# Allegro board RK_EVB7_RK3588_LP4XD200P232SD8_V11_20230111YWQ.brd (continued)
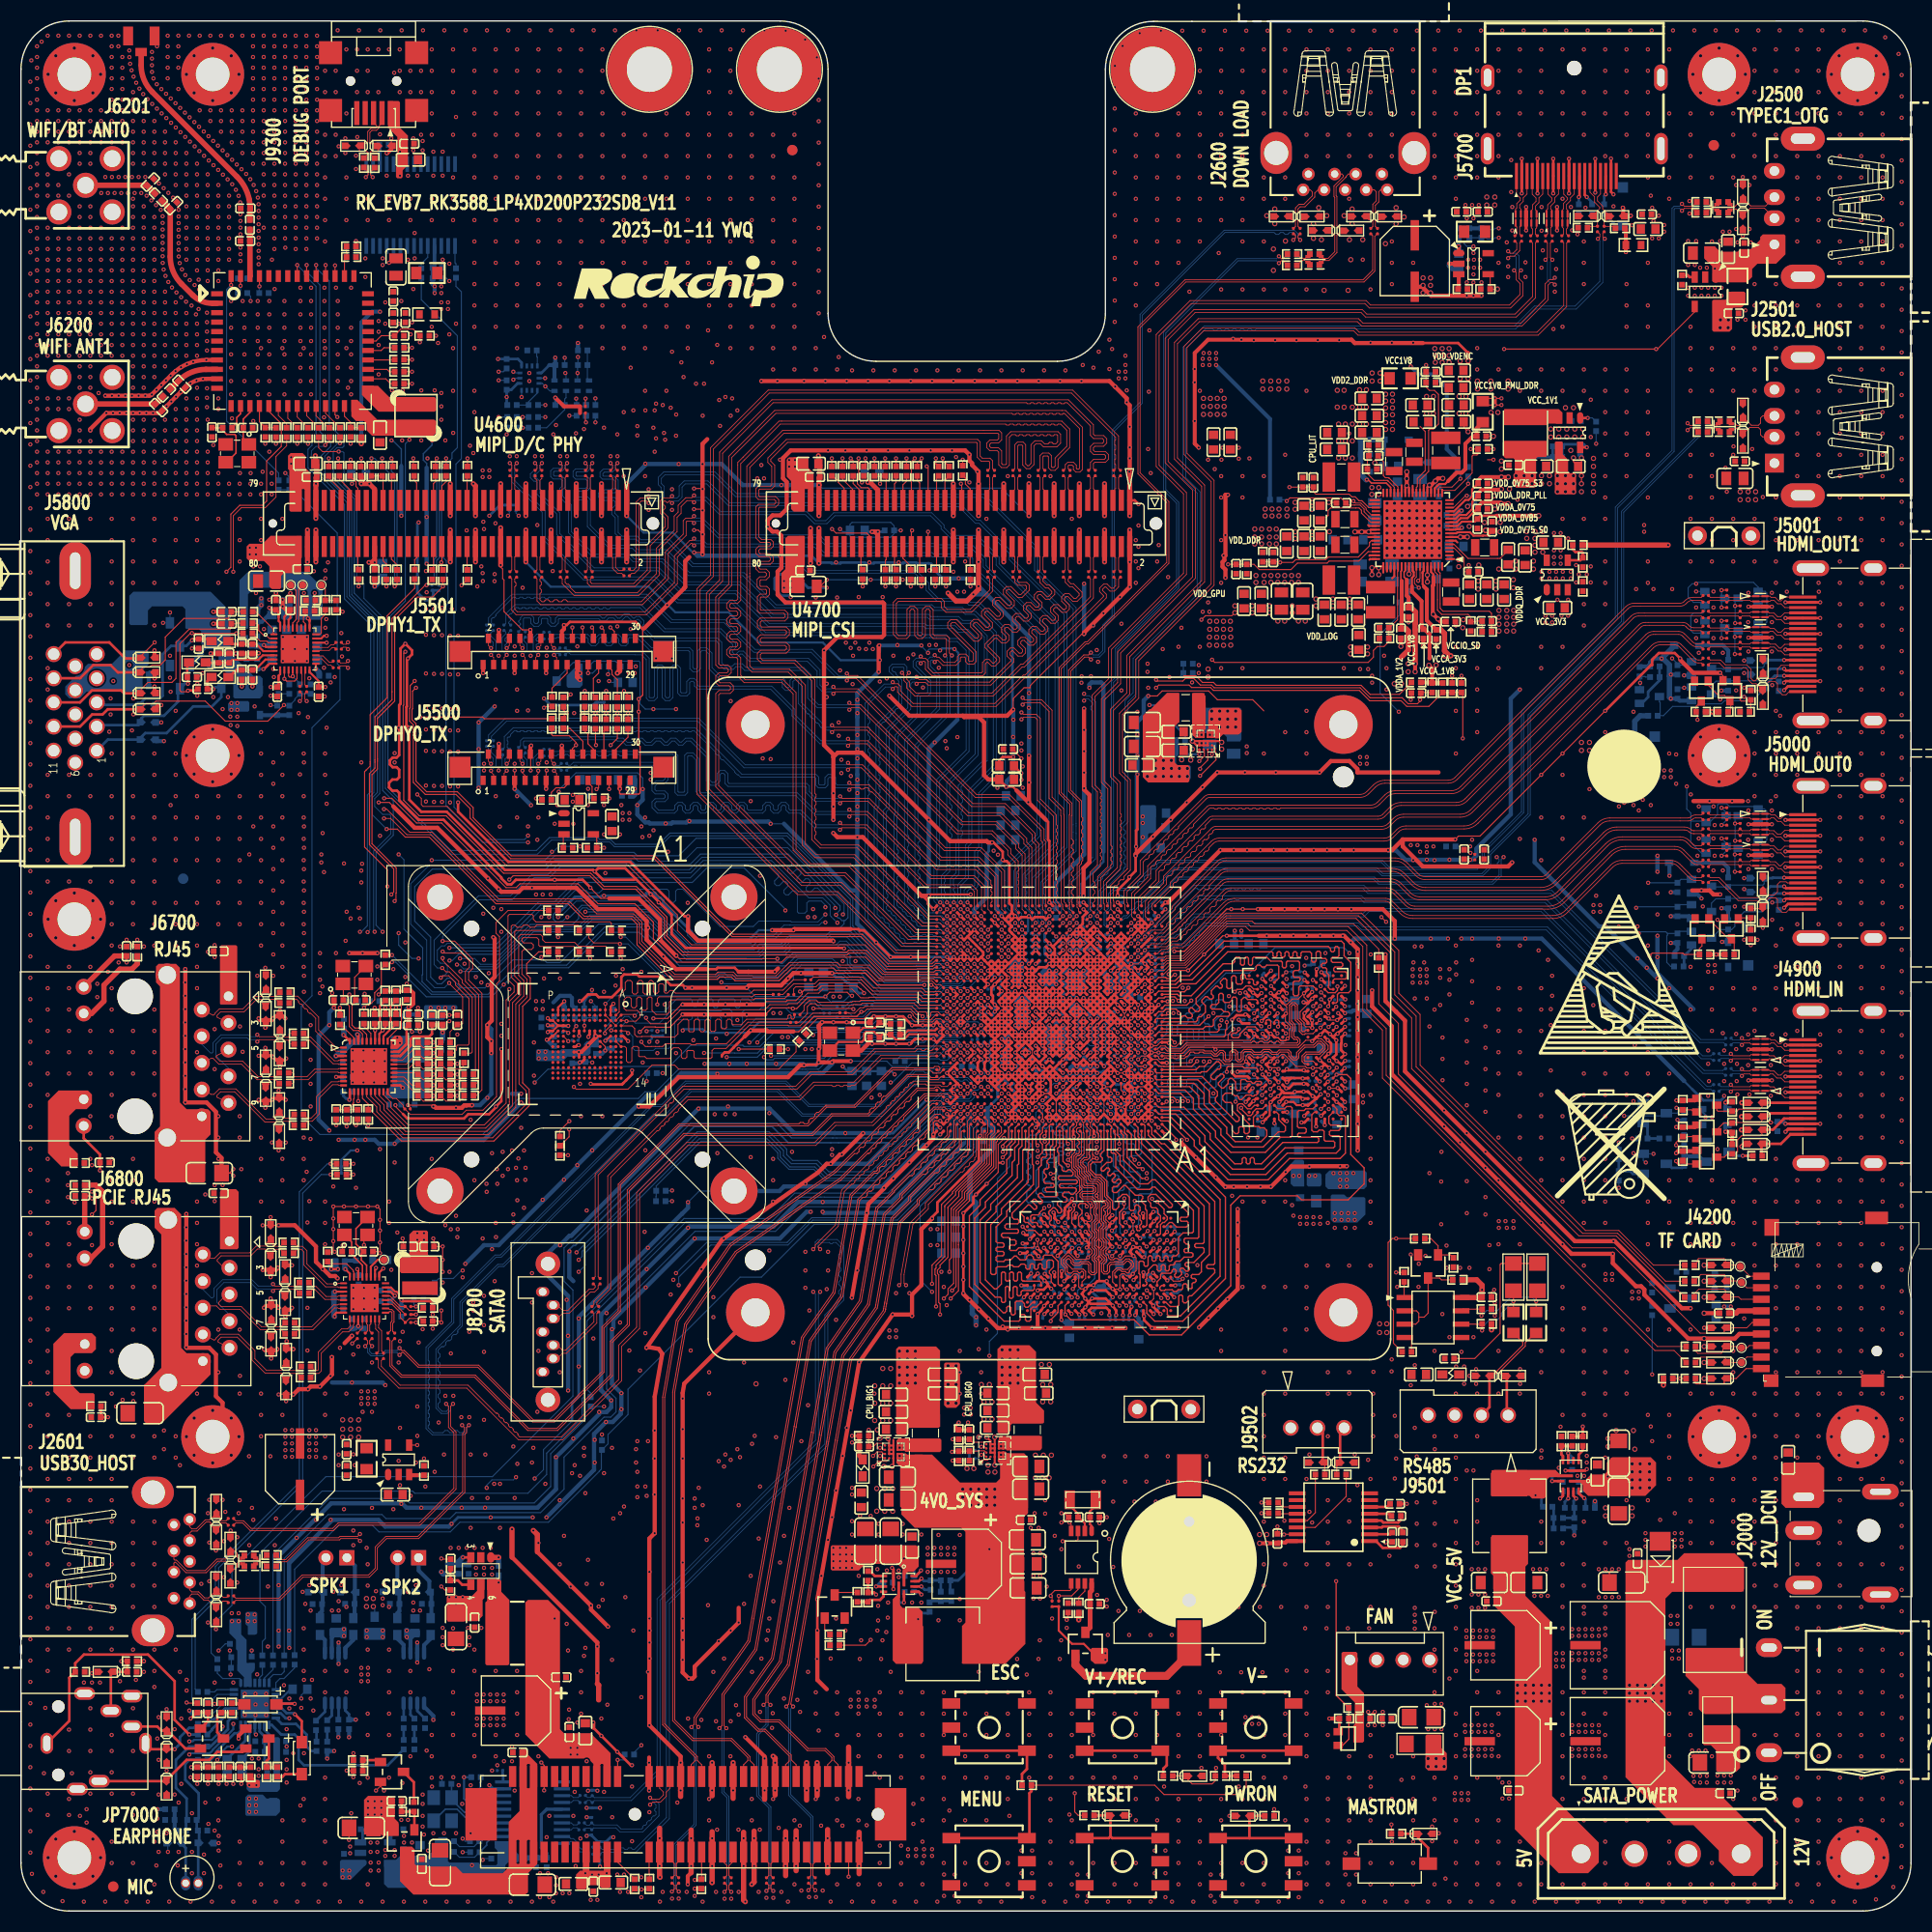
[diagram p0: board, top side]
## Nets
AVDD3V3_CODEC: C7002.1 C7006.1 R7000.2 U7000.17(AVDD)
GND: ANT6200.2(GND1) ANT6200.3(GND2) C240.2 C1000.2 C1001.2 C1002.2 C1003.2 C1004.2 C1005.2 C1006.2 C1007.2 C1010.2 C1013.2 C1014.2 C1015.2 C1016.2 C1017.2 C1018.2 C1019.2 C1020.2 C1022.2 C1023.2 C1024.2 C1025.2 C1027.2 C1028.2 C1029.2 C1030.2 C1031.2 C1032.2 C1033.2 C1034.2 C1035.2 C1036.2 C1037.2 C1038.2 C1039.2 C1040.2 C1041.2 C1042.2 C1043.2 C1045.2 C1046.2 C1047.2 C1048.2 C1049.2 C1050.2 C1051.2 C1052.2 C1054.2 C1057.2 C1058.2 C1059.2 C1060.2 C1061.2 C1062.2 C1063.2 C1064.2 C1065.2 C1066.2 C1069.2 C1070.2 C1071.2 C1072.2 C1073.2 C1080.2 C1081.2 C1082.2 C1083.2 C1085.2 C1086.2 C1100.2 C1101.2 C1102.2 C1103.2 C1104.2 C1105.2 C1106.2 C1107.2 C1109.2 C1110.2 C1111.2 C1112.2 C1113.2 C1200.2 C1201.2 C1202.2 C1203.2 C1204.2 C1205.2 C1206.2 C1207.2 C1208.2 C1209.2 C1210.2 C1211.2 C1212.2 C1213.2 C1214.2 C1215.2 C1216.2 C1217.2 C1218.2 C1219.2 C1220.2 C1221.2 C1223.2 C1224.2 C1225.2 C1226.2 C1227.2 C1228.2 C1229.2 C1231.2 C1232.2 C1300.2 C1301.2 C1302.2 C1400.2 C1401.2 C1402.2 C1403.2 C1404.2 C1405.2 C1406.2 C1407.2 C1408.2 C1409.2 C1410.2 C1501.2 C1502.2 C1503.2 C1505.2 C1510.2 C1511.2 C1512.2 C1513.2 C1514.2 C1600.2 C1601.2 C1602.2 C1603.2 C1605.2 C1608.2 C1609.2 C1611.2 C1613.2 C1615.2 C1616.2 C1617.2 C1619.2 C1621.2 C1714.2 C1715.2 C1716.2 C1717.2 C1729.2 C1730.2 C1731.2 C1732.2 C1733.2 C1735.2 C1738.2 C1740.2 C1741.2 C1742.2 C1751.2 C1752.2 C1800.2 C1801.2 C1802.2 C1803.2 C1804.2 C1806.2 C1808.2 C1810.2 C1812.2 C1813.2 C1814.2 C1815.2 C1816.2 C1818.2 C1902.2 C1903.2 C1907.2 C1908.2 C1909.2 C2000.2 C2001.2 C2002.2 C2003.2 C2004.2 C2005.2 C2006.2 C2007.2 C2010.2 C2011.2 C2012.2 C2013.2 C2014.2 C2015.2 C2016.2 C2017.2 C2100.2 C2101.2 C2102.2 C2106.2 C2108.2 C2109.2 C2110.2 C2111.2 C2112.2 C2113.2 C2200.2 C2201.2 C2202.2 C2203.2 C2204.2 C2207.2 C2208.2 C2209.2 C2210.2 C2211.2 C2212.2 C2213.2 C2214.2 C2215.2 C2218.2 C2219.2 C2220.2 C2221.2 C2222.2 C2223.2 C2224.2 C2225.2 C2226.2 C2229.2 C2230.2 C2231.2 C2232.2 C2234.2 C2235.2 C2236.2 C2237.2 C2240.2 C2241.2 C2242.2 C2243.2 C2244.2 C2245.2 C2246.2 C2247.2 C2249.2 C2250.2 C2252.2 C2253.2 C2254.2 C2255.2 C2256.2 C2257.2 C2258.2 C2259.2 C2260.2 C2262.2 C2263.2 C2264.2 C2265.2 C2266.2 C2267.2 C2268.2 C2269.2 C2270.2 C2271.2 C2280.2 C2300.2 C2301.2 C2302.2 C2303.2 C2305.2 C2306.2 C2307.2 C2308.2 C2309.2 C2311.2 C2312.2 C2313.2 C2314.2 C2315.2 C2316.2 C2317.2 C2318.2 C2319.2 C2321.2 C2322.2 C2324.2 C2325.2 C2326.2 C2327.2 C2328.2 C2329.2 C2330.2 C2332.2 C2333.2 C2335.2 C2400.2 C2401.2 C2402.2 C2403.2 C2404.2 C2405.2 C2406.2 C2407.2 C2500.2 C2501.2 C2502.2 C2503.2 C2510.2 C2511.2 C2600.2 C2601.2 C2602.2 C2603.2 C2604.2 C2607.2 C2608.2 C2609.2 C2610.2 C3800.2 C3801.2 C3802.2 C3803.2 C3804.2 C3805.2 C3806.2 C3807.2 C3808.2 C3809.2 C3810.2 C3811.2 C3812.2 C3813.2 C3814.2 C3815.2 C3816.2 C3817.2 C3818.2 C3819.2 C3820.2 C3821.2 C3822.2 C3823.2 C3824.2 C3825.2 C3826.2 C3827.2 C3828.2 C3829.2 C3830.2 C3831.2 C3832.2 C3833.2 C3834.2 C3835.2 C3836.2 C3837.2 C3838.2 C3839.2 C3840.2 C3841.2 C3842.2 C3844.2 C3845.2 C3846.2 C3847.2 C3848.2 C3849.2 C3850.2 C3851.2 C3852.2 C3853.2 C3854.2 C3855.2 C3856.2 C3857.2 C3858.2 C3859.2 C3860.2 C3861.2 C3862.2 C3863.2 C3864.2 C3865.2 C3866.2 C3867.2 C3868.2 C3869.2 C3870.2 C3871.2 C3872.2 C3873.2 C3874.2 C3875.2 C3876.2 C3877.2 C3878.2 C3879.2 C3880.2 C3881.2 C3882.2 C3883.2 C3884.2 C3885.2 C3886.2 C3887.2 C3888.2 C4000.2 C4001.2 C4002.2 C4003.2 C4004.2 C4005.2 C4006.2 C4007.2 C4008.2 C4009.2 C4201.2 C4202.2 C4600.2 C4601.2 C4602.2 C4603.2 C4604.2 C4605.2 C4606.2 C4607.2 C4700.2 C4701.2 C4702.2 C4703.2 C4704.2 C4705.2 C4706.2 C4707.2 C4900.2 C5011.2 C5024.2 C5500.2 C5501.2 C5502.2 C5503.2 C5510.2 C5511.2 C5512.2 C5513.2 C5710.2 C5711.2 C5802.2 C5803.2 C5804.2 C5805.2 C5806.2 C5807.2 C5811.2 C5812.2 C5813.2 C5814.2 C5815.2 C5817.2 C5818.2 C5819.2 C5820.2 C5821.2 C5822.2 C5823.2 C5824.2 C5825.2 C5826.2 C5827.2 C5828.2 C5829.2 C5830.2 C6201.2 C6202.2 C6204.2 C6205.2 C6206.2 C6207.2 C6209.2 C6210.2 C6211.2 C6212.2 C6213.2 C6214.2 C6215.2 C6216.2 C6700.2 C6701.2 C6702.1 C6703.1 C6704.2 C6707.2 C6708.2 C6709.2 C6710.2 C6711.2 C6712.2 C6713.2 C6714.2 C6715.2 C6716.2 C6717.2 C6718.2 C6719.2 C6720.2 C6721.2 C6722.2 C6723.2 C6750.2 C6751.2 C6802.2 C6803.2 C6804.2 C6805.2 C6806.2 C6807.2 C6808.2 C6809.2 C6810.2 C6811.2 C6812.2 C6813.2 C6814.2 C6815.2 C6816.1 C6817.1 C6818.2 C6819.2 C7000.2 C7001.2 C7002.2 C7003.2 C7004.2 C7005.2 C7006.2 C7011.2 C7012.2 C7013.2 C7014.2 C7015.2 C7016.2 C7017.2 C7018.2 C7022.2 C7023.2 C7024.1 C7027.2 C7028.2 C7029.2 C7030.1 C7033.2 C7034.2 C7035.2 C8100.2 C8101.2 C8102.2 C8105.2 C8106.2 C8113.2 C8114.2 C8115.2 C8116.2 C8117.2 C8118.2 C8119.2 C8120.2 C8121.2 C8122.2 C8124.2 C8125.2 C8127.2 C8128.2 C8129.2 C8130.2 C8132.2 C8133.2 C8134.2 C8135.2 C8136.2 C9000.2 C9001.2 C9002.2 C9003.2 C9004.2 C9300.2 C9301.2 C9302.2 C9303.2 C9304.2 C9510.2 C9512.2 C9514.2 C9515.1 C9517.1 CON9000.3(GND) D2000.1(A) D2200.1(A) D4200.2 D4201.2 D4202.2 D4203.2 D4204.2 D4205.2 D4206.2 D4207.2 D5700.1(ANODE) D5801.2 D5802.2 D5803.1 D5804.2 D5805.2 D5806.1 D5807.2 D5808.2 D5810.1 D5811.2 ED2200.2 ED2500.2 ED2501.2 ED2503.2 ED2504.2 ED2600.2 ED2601.2 ED2602.2 ED2603.2 ED2604.2 ED2605.2 ED2606.2 ED2607.2 ED2608.2 ED2609.2 ED2610.2 ED2611.2 ED4900.3(GND#3) ED4900.8(GND#8) ED4901.2 ED4902.2 ED4903.2 ED4904.2 ED4905.3(GND#3) ED4905.8(GND#8) ED5000.3(GND#3) ED5000.8(GND#8) ED5001.3(GND#3) ED5001.8(GND#8) ED5002.2 ED5003.2 ED5004.2 ED5005.2 ED5006.2 ED5007.3(GND#3) ED5007.8(GND#8) ED5008.3(GND#3) ED5008.8(GND#8) ED5009.2 ED5010.2 ED5011.2 ED5012.2 ED5013.2 ED5700.2 ED5701.2 ED6700.2 ED6701.2 ED6702.2 ED6703.2 ED6704.2 ED6705.2 ED6706.2 ED6707.2 ED6800.2 ED6801.2 ED6802.2 ED6803.2 ED6804.2 ED6805.2 ED6806.2 ED6807.2 ED7000.2 ED7001.2 ED7002.2 ED7003.2 ED7004.2 ED7005.2 ED7006.2 ED7007.2 ED7008.2 ED7009.2 ED9200.2 ED9201.2 ED9202.2 ED9203.2 ED9300.2 ED9301.2 ED9500.2 ED9501.2 ED9502.2 ED9503.2 FB9501.2 GND9900.1 GND9900.2 GND9901.1 GND9901.2 H9900.1 H9901.1 H9902.1 H9903.1 H9904.1 H9905.1 H9906.1 H9907.1 H9908.1 H9909.1 H9910.1 H9911.1 J2000.2 J2000.3 J2000.4 J2000.5 J2400.2 J2402.2(GND1) J2402.3(GND2) J2500.4(GND) J2500.5(G1) J2500.6(G2) J2501.4(GND) J2501.5(G1) J2501.6(G2) J2600.4(GND#4) J2600.7(GND#7) J2600.10(SHELL1) J2600.11(SHELL2) J2601.4(GND#4) J2601.7(GND#7) J2601.10(SHELL1) J2601.11(SHELL2) J4200.6(VSS) J4200.10(G1) J4200.11(G2) J4200.12(G3) J4200.13(G4) J4900.2(D2_G) J4900.5(D1_G) J4900.8(D0_G) J4900.11(CLK_G) J4900.17(GND) J4900.20(G1) J4900.21(G2) J4900.22(G3) J4900.23(G4) J5000.2(D2_G) J5000.5(D1_G) J5000.8(D0_G) J5000.11(CLK_G) J5000.17(GND) J5000.20(G1) J5000.21(G2) J5000.22(G3) J5000.23(G4) J5001.2(D2_G) J5001.5(D1_G) J5001.8(D0_G) J5001.11(CLK_G) J5001.17(GND) J5001.20(G1) J5001.21(G2) J5001.22(G3) J5001.23(G4) J5500.1 J5500.4 J5500.7 J5500.10 J5500.13 J5500.16 J5500.27 J5500.31(GND_31) J5500.32(GND_32) J5501.1 J5501.4 J5501.7 J5501.10 J5501.13 J5501.16 J5501.27 J5501.31(GND_31) J5501.32(GND_32) J5700.2(GND_2) J5700.5(GND_5) J5700.8(GND_8) J5700.11(GND_11) J5700.16(GND_16) J5700.19(RETURN) J5700.21(G1) J5700.22(G2) J5700.23(G3) J5700.24(G4) J5800.5(G5) J5800.6(G6) J5800.7(G7) J5800.8(G8) J5800.10(G10) J5800.16(G16) J5800.17(G17) J6200.2(G1) J6200.3(G2) J6200.4(G3) J6200.5(G4) J6201.2(G1) J6201.3(G2) J6201.4(G3) J6201.5(G4) J8200.1(GND1) J8200.4(GND2) J8200.7(GND3) J8200.8(GND4) J8200.9(GND5) J9300.5(GND) J9300.6(G1) J9300.7(G2) J9300.8(G3) J9300.9(G4) J9502.1 J9900.1 J9900.2 J9900.3 J9900.4 JP7000.6 JP7000.7(G1) JP7000.8(G2) Q2000.2(EMITTER) Q4900.2(EMITTER) Q4903.2(EMITTER) Q5003.2(SOURCE) Q5004.2(SOURCE) Q5005.2(SOURCE) Q5006.2(SOURCE) Q5009.2(SOURCE) Q5010.2(SOURCE) Q5011.2(SOURCE) Q5012.2(SOURCE) Q5014.2(SOURCE) Q5015.2(SOURCE) Q5016.2(SOURCE) Q5020.2(SOURCE) Q8101.2(EMITTER) Q9500.2(EMITTER) R1116.2 R1400.2 R1401.2 R1402.2 R1405.2 R1406.2 R1410.2 R1509.2 R1510.2 R1708.2 R1719.2 R1730.2 R1801.2 R1807.2 R2001.2 R2007.1 R2008.2 R2032.2 R2105.2 R2106.2 R2109.2 R2204.2 R2208.2 R2212.2 R2213.2 R2217.1 R2303.2 R2307.2 R2322.2 R2323.2 R2324.2 R2350.2 R2505.2 R2601.2 R2609.2 R2610.2 R2619.2 R4004.2 R4202.2 R4911.2 R4921.2 R5015.1 R5037.1 R5700.1 R5701.2 R5702.2 R5808.2 R5809.2 R5811.2 R5813.2 R5815.2 R5816.2 R6202.2 R6204.2 R6205.2 R6213.2 R6217.2 R6223.2 R6711.1 R6712.2 R6713.1 R6714.2 R6716.2 R6718.2 R6719.2 R6721.2 R6723.2 R6724.2 R6725.2 R6729.2 R6730.2 R6802.1 R6820.1 R7014.2 R7015.2 R7020.2 R7021.2 R7022.2 R7024.1 R7025.1 R7030.1 R8107.2 R8108.2 R8109.2 R8112.1 R8114.2 R8115.1 R8117.2 R8118.1 R8124.2 R8125.2 R8126.2 R8129.2 R8132.1 R8135.2 R9006.2 R9516.2 R9518.2 SMTSO0.1 SMTSO1.1 SMTSO2.1 SW9200.1 SW9200.4 SW9200.5(G) SW9201.1 SW9201.4 SW9201.5(G) SW9202.1 SW9202.4 SW9202.5(G) SW9203.1 SW9203.4 SW9203.5(G) SW9204.1 SW9204.4 SW9204.5(G) SW9205.1 SW9205.4 SW9205.5(G) SW9206.2 U1000.A1(VSS_1) U1000.A11(VSS_2) U1000.A14(VSS_3) U1000.A34(VSS_4) U1000.AA3(VSS_248) U1000.AA6(VSS_249) U1000.AA8(AVSS_15) U1000.AA10(AVSS_16) U1000.AA11(VSS_250) U1000.AA16(VSS_251) U1000.AA17(VSS_252) U1000.AA18(VSS_253) U1000.AA19(VSS_254) U1000.AA20(VSS_255) U1000.AA21(VSS_256) U1000.AA22(VSS_257) U1000.AA23(VSS_258) U1000.AA24(VSS_259) U1000.AA31(VSS_260) U1000.AB3(VSS_261) U1000.AB5(VSS_262) U1000.AB6(AVSS_17) U1000.AB7(AVSS_18) U1000.AB8(AVSS_19) U1000.AB10(AVSS_20) U1000.AB11(VSS_263) U1000.AB16(VSS_264) U1000.AB17(VSS_265) U1000.AB18(VSS_266) U1000.AB19(VSS_267) U1000.AB20(VSS_268) U1000.AB24(VSS_269) U1000.AB27(VSS_270) U1000.AB29(VSS_271) U1000.AB32(VSS_272) U1000.AC3(VSS_273) U1000.AC4(VSS_274) U1000.AC5(AVSS_21) U1000.AC8(AVSS_22) U1000.AC10(AVSS_23) U1000.AC11(VSS_275) U1000.AC12(VSS_276) U1000.AC16(VSS_277) U1000.AC20(VSS_278) U1000.AC21(VSS_279) U1000.AC24(VSS_280) U1000.AC27(VSS_281) U1000.AD5(AVSS_24) U1000.AD8(AVSS_25) U1000.AD10(AVSS_26) U1000.AD11(VSS_282) U1000.AD12(VSS_283) U1000.AD16(VSS_284) U1000.AD20(VSS_285) U1000.AD21(VSS_286) U1000.AD24(VSS_287) U1000.AD25(VSS_288) U1000.AD26(VSS_289) U1000.AE3(VSS_290) U1000.AE6(AVSS_27) U1000.AE7(AVSS_28) U1000.AE9(AVSS_29) U1000.AE11(VSS_291) U1000.AE12(VSS_292) U1000.AE13(VSS_293) U1000.AE14(VSS_294) U1000.AE15(VSS_295) U1000.AE16(VSS_296) U1000.AE18(VSS_297) U1000.AE19(VSS_298) U1000.AE20(VSS_299) U1000.AE21(VSS_300) U1000.AE24(VSS_301) U1000.AE26(VSS_302) U1000.AF4(AVSS_30) U1000.AF7(AVSS_31) U1000.AF8(AVSS_32) U1000.AF11(AVSS_33) U1000.AF12(AVSS_34) U1000.AF13(AVSS_35) U1000.AF14(AVSS_36) U1000.AF15(AVSS_37) U1000.AF16(AVSS_38) U1000.AF21(AVSS_39) U1000.AF22(VSS_303) U1000.AF24(VSS_304) U1000.AF25(VSS_305) U1000.AF27(VSS_306) U1000.AF28(VSS_307) U1000.AF29(VSS_308) U1000.AF30(VSS_309) U1000.AF31(VSS_310) U1000.AF32(VSS_311) U1000.AG3(AVSS_40) U1000.AG6(AVSS_41) U1000.AG7(AVSS_42) U1000.AG10(AVSS_43) U1000.AG12(AVSS_44) U1000.AG15(AVSS_45) U1000.AG18(AVSS_46) U1000.AG21(AVSS_47) U1000.AG22(AVSS_48) U1000.AG30(VSS_312) U1000.AH4(AVSS_49) U1000.AH8(AVSS_50) U1000.AH11(AVSS_51) U1000.AH12(AVSS_52) U1000.AH15(AVSS_53) U1000.AH21(AVSS_54) U1000.AH22(AVSS_55) U1000.AH23(AVSS_56) U1000.AJ3(AVSS_57) U1000.AJ7(AVSS_58) U1000.AJ8(AVSS_59) U1000.AJ9(AVSS_60) U1000.AJ11(AVSS_61) U1000.AJ12(AVSS_62) U1000.AJ15(AVSS_63) U1000.AJ16(AVSS_64) U1000.AJ18(AVSS_65) U1000.AJ21(AVSS_66) U1000.AJ22(AVSS_67) U1000.AJ23(AVSS_68) U1000.AJ30(VSS_313) U1000.AK4(AVSS_69) U1000.AK5(AVSS_70) U1000.AK7(AVSS_71) U1000.AK10(AVSS_72) U1000.AK11(AVSS_73) U1000.AK12(AVSS_74) U1000.AK13(AVSS_75) U1000.AK14(AVSS_76) U1000.AK23(AVSS_77) U1000.AK28(VSS_314) U1000.AK29(VSS_315) U1000.AL3(AVSS_78) U1000.AL4(AVSS_79) U1000.AL5(AVSS_80) U1000.AL11(AVSS_81) U1000.AL13(AVSS_82) U1000.AL23(AVSS_83) U1000.AL25(VSS_316) U1000.AM4(AVSS_84) U1000.AM8(AVSS_85) U1000.AM9(AVSS_86) U1000.AM18(AVSS_87) U1000.AM20(AVSS_88) U1000.AM22(AVSS_89) U1000.AM23(AVSS_90) U1000.AM24(AVSS_91) U1000.AM26(AVSS_92) U1000.AM28(AVSS_93) U1000.AM30(VSS_317) U1000.AN7(AVSS_94) U1000.AN12(AVSS_95) U1000.AN23(AVSS_96) U1000.AN31(AVSS_97) U1000.AP1(AVSS_98) U1000.AP17(AVSS_99) U1000.AP23(AVSS_100) U1000.AP34(AVSS_101) U1000.B6(VSS_5) U1000.B19(VSS_6) U1000.B24(VSS_7) U1000.B27(VSS_8) U1000.B33(VSS_9) U1000.C3(VSS_10) U1000.C4(VSS_11) U1000.C5(VSS_12) U1000.C6(VSS_13) U1000.C7(VSS_14) U1000.C8(VSS_15) U1000.C9(VSS_16) U1000.C10(VSS_17) U1000.C11(VSS_18) U1000.C12(VSS_19) U1000.C13(VSS_20) U1000.C14(VSS_21) U1000.C15(VSS_22) U1000.C16(VSS_23) U1000.C17(VSS_24) U1000.C18(VSS_25) U1000.C20(VSS_26) U1000.C21(VSS_27) U1000.C22(VSS_28) U1000.C23(VSS_29) U1000.C26(VSS_30) U1000.C28(VSS_31) U1000.C30(VSS_32) U1000.C32(VSS_33) U1000.D3(VSS_34) U1000.D23(VSS_35) U1000.D24(VSS_36) U1000.D31(VSS_37) U1000.E3(VSS_38) U1000.E6(VSS_39) U1000.E8(VSS_40) U1000.E12(VSS_41) U1000.E18(VSS_42) U1000.E20(VSS_43) U1000.E22(VSS_44) U1000.E23(VSS_45) U1000.E32(VSS_46) U1000.F3(VSS_47) U1000.F7(VSS_48) U1000.F9(VSS_49) U1000.F10(VSS_50) U1000.F11(VSS_51) U1000.F13(VSS_52) U1000.F14(VSS_53) U1000.F15(VSS_54) U1000.F16(VSS_55) U1000.F19(VSS_56) U1000.F20(VSS_57) U1000.F21(VSS_58) U1000.F22(VSS_59) U1000.F23(VSS_60) U1000.F31(VSS_61) U1000.G3(VSS_62) U1000.G6(VSS_63) U1000.G10(VSS_64) U1000.G15(VSS_65) U1000.G19(VSS_66) U1000.G21(VSS_67) U1000.G22(VSS_68) U1000.G25(VSS_69) U1000.G32(VSS_70) U1000.H3(VSS_71) U1000.H6(VSS_72) U1000.H10(VSS_73) U1000.H12(VSS_74) U1000.H14(VSS_75) U1000.H19(VSS_76) U1000.H22(VSS_77) U1000.H25(VSS_78) U1000.H26(VSS_79) U1000.H28(AVSS_1) U1000.H31(AVSS_2) U1000.J3(VSS_80) U1000.J4(VSS_81) U1000.J5(VSS_82) U1000.J6(VSS_83) U1000.J10(VSS_84) U1000.J11(VSS_85) U1000.J12(VSS_86) U1000.J13(VSS_87) U1000.J14(VSS_88) U1000.J15(VSS_89) U1000.J16(VSS_90) U1000.J18(VSS_91) U1000.J19(VSS_92) U1000.J20(VSS_93) U1000.J21(VSS_94) U1000.J22(VSS_95) U1000.J23(VSS_96) U1000.J24(VSS_97) U1000.J25(VSS_98) U1000.J27(AVSS_3) U1000.J28(AVSS_4) U1000.J29(AVSS_5) U1000.J32(AVSS_6) U1000.K3(VSS_99) U1000.K6(VSS_100) U1000.K8(VSS_101) U1000.K9(VSS_102) U1000.K18(VSS_103) U1000.K21(VSS_104) U1000.K22(VSS_105) U1000.K26(AVSS_7) U1000.K31(AVSS_8) U1000.K32(AVSS_9) U1000.L1(VSS_106) U1000.L3(VSS_107) U1000.L6(VSS_108) U1000.L9(VSS_109) U1000.L16(DDR_CH1_PLL_AVSS) U1000.L19(VSS_110) U1000.L20(VSS_111) U1000.L21(VSS_112) U1000.L22(VSS_113) U1000.L25(VSS_114) U1000.L26(AVSS_10) U1000.L31(AVSS_11) U1000.M3(VSS_115) U1000.M6(VSS_116) U1000.M9(VSS_117) U1000.M11(DDR_CH0_PLL_AVSS) U1000.M14(VSS_118) U1000.M15(VSS_119) U1000.M18(VSS_120) U1000.M20(VSS_121) U1000.M22(VSS_122) U1000.M25(VSS_123) U1000.M26(AVSS_12) U1000.M29(TVSS) U1000.M32(AVSS_13) U1000.N3(VSS_124) U1000.N6(VSS_125) U1000.N9(VSS_126) U1000.N11(VSS_127) U1000.N14(VSS_128) U1000.N15(VSS_129) U1000.N18(VSS_130) U1000.N20(VSS_131) U1000.N22(VSS_132) U1000.N25(VSS_133) U1000.N26(VSS_134) U1000.N29(VSS_135) U1000.N32(AVSS_14) U1000.P1(VSS_136) U1000.P3(VSS_137) U1000.P6(VSS_138) U1000.P8(VSS_139) U1000.P9(VSS_140) U1000.P11(VSS_141) U1000.P14(VSS_142) U1000.P15(VSS_143) U1000.P18(VSS_144) U1000.P19(VSS_145) U1000.P20(VSS_146) U1000.P21(VSS_147) U1000.P22(VSS_148) U1000.P25(VSS_149) U1000.P26(VSS_150) U1000.P34(VSS_151) U1000.R3(VSS_152) U1000.R5(VSS_153) U1000.R8(VSS_154) U1000.R9(VSS_155) U1000.R11(VSS_156) U1000.R13(VSS_157) U1000.R15(VSS_158) U1000.R18(VSS_159) U1000.R19(VSS_160) U1000.R20(VSS_161) U1000.R21(VSS_162) U1000.R22(VSS_163) U1000.R23(VSS_164) U1000.R24(VSS_165) U1000.R25(VSS_166) U1000.R26(VSS_167) U1000.R28(VSS_168) U1000.R33(VSS_169) U1000.T3(VSS_170) U1000.T6(VSS_171) U1000.T9(VSS_172) U1000.T11(VSS_173) U1000.T13(VSS_174) U1000.T15(VSS_175) U1000.T18(VSS_176) U1000.T19(VSS_177) U1000.T20(VSS_178) U1000.T23(VSS_179) U1000.T24(VSS_180) U1000.T25(VSS_181) U1000.T26(VSS_182) U1000.T27(VSS_183) U1000.T33(VSS_184) U1000.U3(VSS_185) U1000.U12(VSS_186) U1000.U13(VSS_187) U1000.U15(VSS_188) U1000.U16(VSS_189) U1000.U17(VSS_190) U1000.U19(PLL_AVSS) U1000.U20(VSS_191) U1000.U23(VSS_192) U1000.U24(VSS_193) U1000.U30(VSS_194) U1000.U31(VSS_195) U1000.U34(VSS_196) U1000.V3(VSS_197) U1000.V4(VSS_198) U1000.V5(VSS_199) U1000.V8(VSS_200) U1000.V9(VSS_201) U1000.V10(VSS_202) U1000.V11(VSS_203) U1000.V15(VSS_204) U1000.V18(VSS_205) U1000.V19(VSS_206) U1000.V23(VSS_207) U1000.V24(VSS_208) U1000.V25(VSS_209) U1000.V27(VSS_210) U1000.V30(VSS_211) U1000.W2(VSS_212) U1000.W3(VSS_213) U1000.W6(VSS_214) U1000.W7(VSS_215) U1000.W9(VSS_216) U1000.W10(VSS_217) U1000.W11(VSS_218) U1000.W12(VSS_219) U1000.W15(VSS_220) U1000.W16(VSS_221) U1000.W17(VSS_222) U1000.W18(VSS_223) U1000.W19(VSS_224) U1000.W20(VSS_225) U1000.W23(VSS_226) U1000.W24(VSS_227) U1000.W27(VSS_228) U1000.Y3(VSS_229) U1000.Y5(VSS_230) U1000.Y6(VSS_231) U1000.Y8(VSS_232) U1000.Y9(VSS_233) U1000.Y10(VSS_234) U1000.Y11(VSS_235) U1000.Y12(VSS_236) U1000.Y13(VSS_237) U1000.Y14(VSS_238) U1000.Y15(VSS_239) U1000.Y16(VSS_240) U1000.Y17(VSS_241) U1000.Y18(VSS_242) U1000.Y19(VSS_243) U1000.Y20(VSS_244) U1000.Y23(VSS_245) U1000.Y24(VSS_246) U1000.Y28(VSS_247) U2000.2(PGND) U2000.10(AGND) U2100.2(PGND) U2100.10(AGND) U2200.69(EPAD) U2300.B2(GND1) U2300.B3(GND2) U2300.B4(AGND) U2300.C1(GND3) U2300.C2(GND4) U2300.C3(GND5) U2300.C4(GND6) U2301.B2(GND1) U2301.B3(GND2) U2301.B4(AGND) U2301.C1(GND3) U2301.C2(GND4) U2301.C3(GND5) U2301.C4(GND6) U2302.2(GND) U2303.B2(GND1) U2303.B3(GND2) U2303.B4(AGND) U2303.C1(GND3) U2303.C2(GND4) U2303.C3(GND5) U2303.C4(GND6) U2305.2(GND) U2306.2(GND) U2400.4(VSS) U2401.1(GND) U2500.2(GND) U2600.2(GND) U2601.2(GND) U3800.A3(VSS_1) U3800.A10(VSS_2) U3800.AB3(VSS_55) U3800.AB5(VSS_56) U3800.AB8(VSS_57) U3800.AB10(VSS_58) U3800.C1(VSS_3) U3800.C5(VSS_4) U3800.C8(VSS_5) U3800.C12(VSS_6) U3800.D2(VSS_7) U3800.D4(VSS_8) U3800.D9(VSS_9) U3800.D11(VSS_10) U3800.E1(VSS_11) U3800.E5(VSS_12) U3800.E8(VSS_13) U3800.E12(VSS_14) U3800.G1(VSS_15) U3800.G3(VSS_16) U3800.G5(VSS_17) U3800.G8(VSS_18) U3800.G10(VSS_19) U3800.G12(VSS_20) U3800.J1(VSS_21) U3800.J3(VSS_22) U3800.J10(VSS_23) U3800.J12(VSS_24) U3800.K2(VSS_25) U3800.K4(VSS_26) U3800.K9(VSS_27) U3800.K11(VSS_28) U3800.N2(VSS_29) U3800.N4(VSS_30) U3800.N9(VSS_31) U3800.N11(VSS_32) U3800.P1(VSS_33) U3800.P3(VSS_34) U3800.P10(VSS_35) U3800.P12(VSS_36) U3800.T1(VSS_37) U3800.T3(VSS_38) U3800.T5(VSS_39) U3800.T8(VSS_40) U3800.T10(VSS_41) U3800.T12(VSS_42) U3800.V1(VSS_43) U3800.V5(VSS_44) U3800.V8(VSS_45) U3800.V12(VSS_46) U3800.W2(VSS_47) U3800.W4(VSS_48) U3800.W9(VSS_49) U3800.W11(VSS_50) U3800.Y1(VSS_51) U3800.Y5(VSS_52) U3800.Y8(VSS_53) U3800.Y12(VSS_54) U3801.A3(VSS_1) U3801.A10(VSS_2) U3801.AB3(VSS_55) U3801.AB5(VSS_56) U3801.AB8(VSS_57) U3801.AB10(VSS_58) U3801.C1(VSS_3) U3801.C5(VSS_4) U3801.C8(VSS_5) U3801.C12(VSS_6) U3801.D2(VSS_7) U3801.D4(VSS_8) U3801.D9(VSS_9) U3801.D11(VSS_10) U3801.E1(VSS_11) U3801.E5(VSS_12) U3801.E8(VSS_13) U3801.E12(VSS_14) U3801.G1(VSS_15) U3801.G3(VSS_16) U3801.G5(VSS_17) U3801.G8(VSS_18) U3801.G10(VSS_19) U3801.G12(VSS_20) U3801.J1(VSS_21) U3801.J3(VSS_22) U3801.J10(VSS_23) U3801.J12(VSS_24) U3801.K2(VSS_25) U3801.K4(VSS_26) U3801.K9(VSS_27) U3801.K11(VSS_28) U3801.N2(VSS_29) U3801.N4(VSS_30) U3801.N9(VSS_31) U3801.N11(VSS_32) U3801.P1(VSS_33) U3801.P3(VSS_34) U3801.P10(VSS_35) U3801.P12(VSS_36) U3801.T1(VSS_37) U3801.T3(VSS_38) U3801.T5(VSS_39) U3801.T8(VSS_40) U3801.T10(VSS_41) U3801.T12(VSS_42) U3801.V1(VSS_43) U3801.V5(VSS_44) U3801.V8(VSS_45) U3801.V12(VSS_46) U3801.W2(VSS_47) U3801.W4(VSS_48) U3801.W9(VSS_49) U3801.W11(VSS_50) U3801.Y1(VSS_51) U3801.Y5(VSS_52) U3801.Y8(VSS_53) U3801.Y12(VSS_54) U4000.A6(VSS2) U4000.C4(VSS3) U4000.E7(VSS4) U4000.G5(VSS5) U4000.H10(VSS6) U4000.HOLE1(GND1) U4000.HOLE2(GND2) U4000.HOLE3(GND3) U4000.HOLE4(GND4) U4000.J5(VSS1) U4000.K8(VSSQ1) U4000.N2(VSSQ2) U4000.N5(VSSQ3) U4000.P4(VSSQ4) U4000.P6(VSSQ5) U4600.1(GND1) U4600.2(GND19) U4600.7(GND2) U4600.8(GND18) U4600.13(GND3) U4600.14(GND17) U4600.19(GND4) U4600.20(GND16) U4600.25(GND5) U4600.26(GND15) U4600.31(GND6) U4600.32(GND14) U4600.37(GND7) U4600.38(GND13) U4600.43(GND8) U4600.44(GND12) U4600.75(GND9) U4600.76(GND11) U4600.78(GND10) U4700.1(GND1) U4700.2(GND19) U4700.7(GND2) U4700.8(GND18) U4700.13(GND3) U4700.14(GND17) U4700.19(GND4) U4700.20(GND16) U4700.25(GND5) U4700.26(GND15) U4700.31(GND6) U4700.32(GND14) U4700.37(GND7) U4700.38(GND13) U4700.43(GND8) U4700.44(GND12) U4700.75(GND9) U4700.76(GND11) U4700.78(GND10) U5700.3(GND#3) 